# Altium PCB STM32H7.PcbDoc
Units mil, origin at the board's own origin, x right, y up, seen from the top; angles counter-clockwise.
Board outline 2800 x 2420 mil, 2 copper layers (Top Layer, Bottom Layer), stack 65.792 mil thick; 80 components, 63 nets, 331 pads, 195 vias.
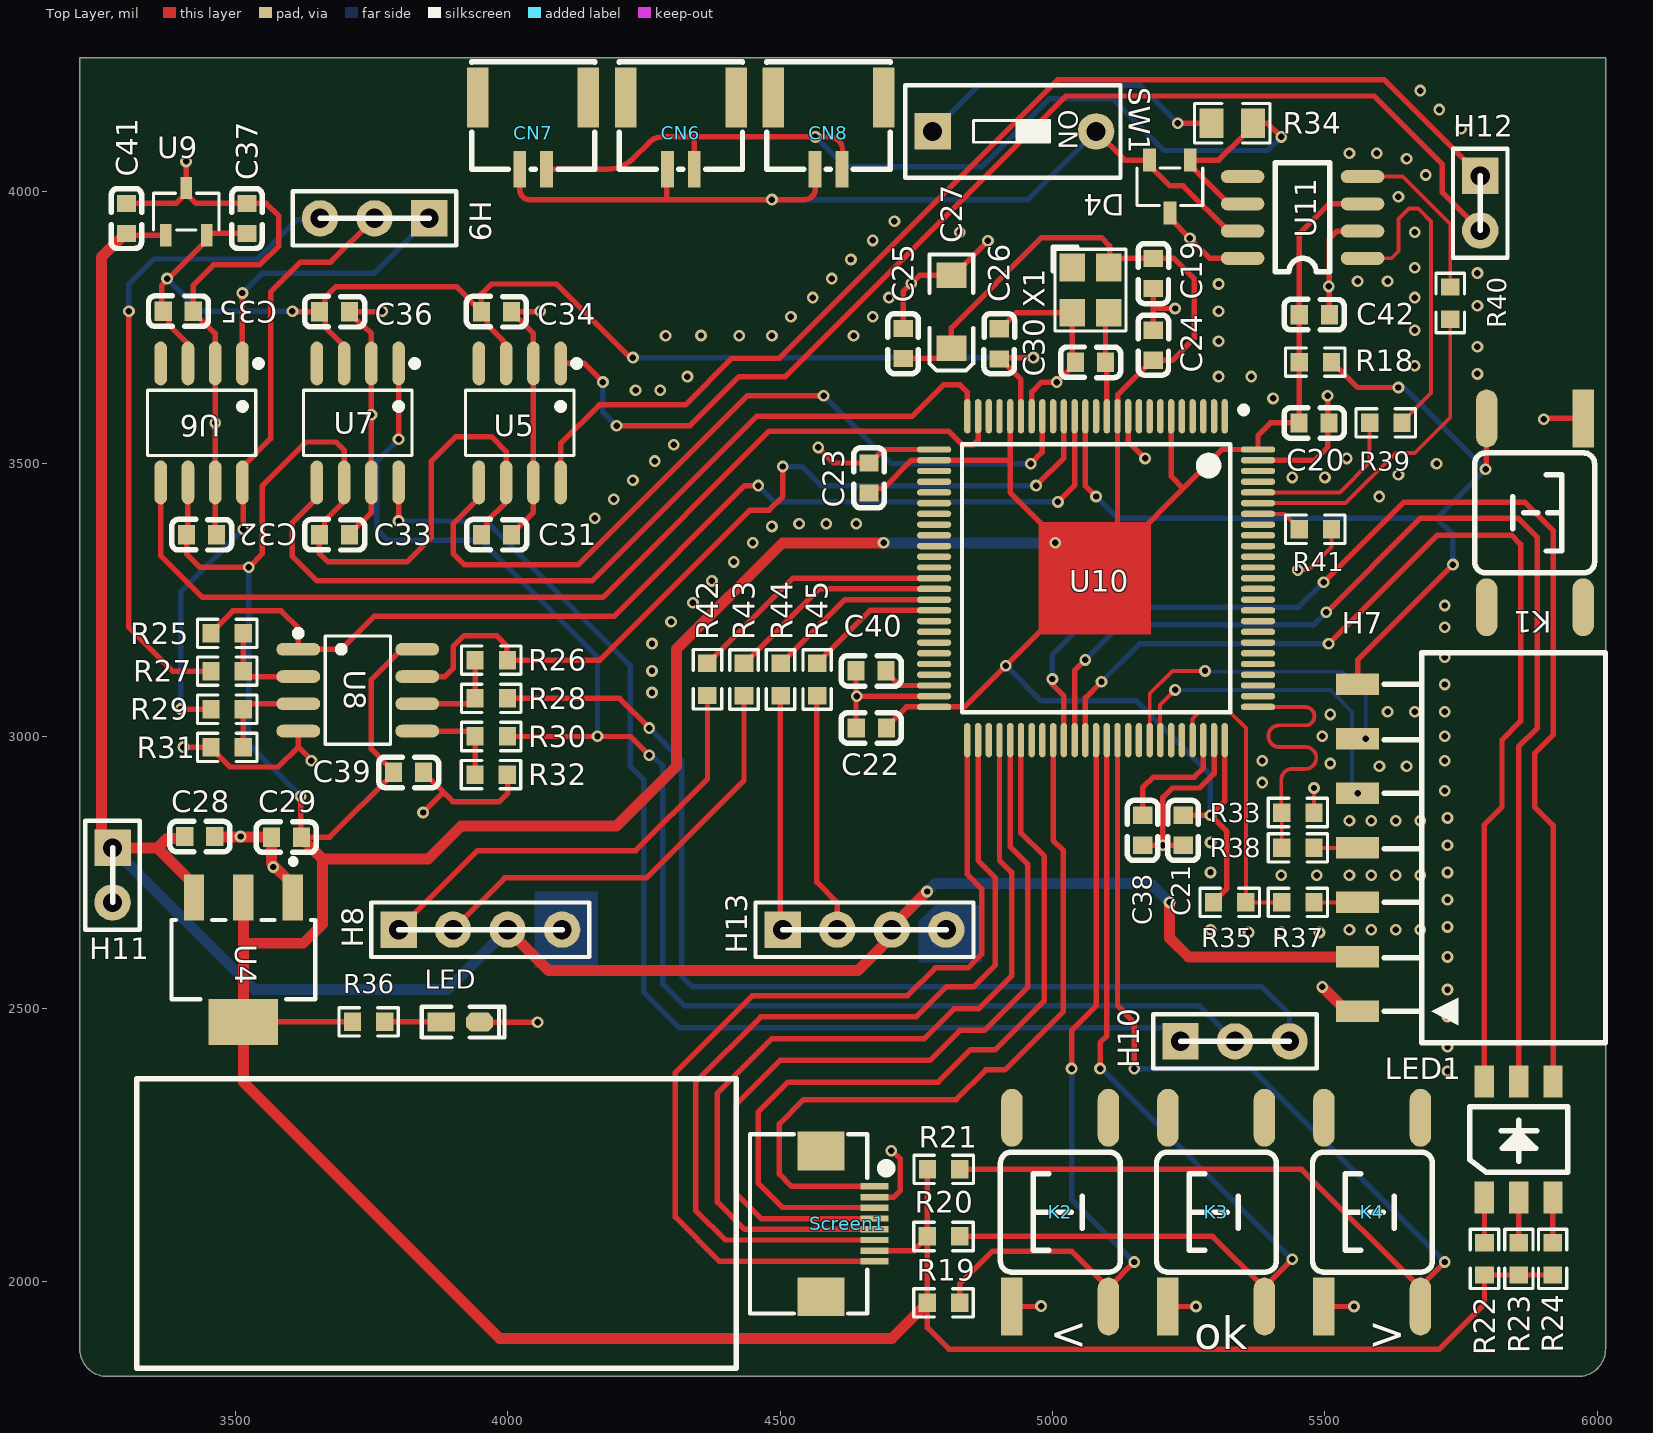
[diagram p0: Top Layer view]
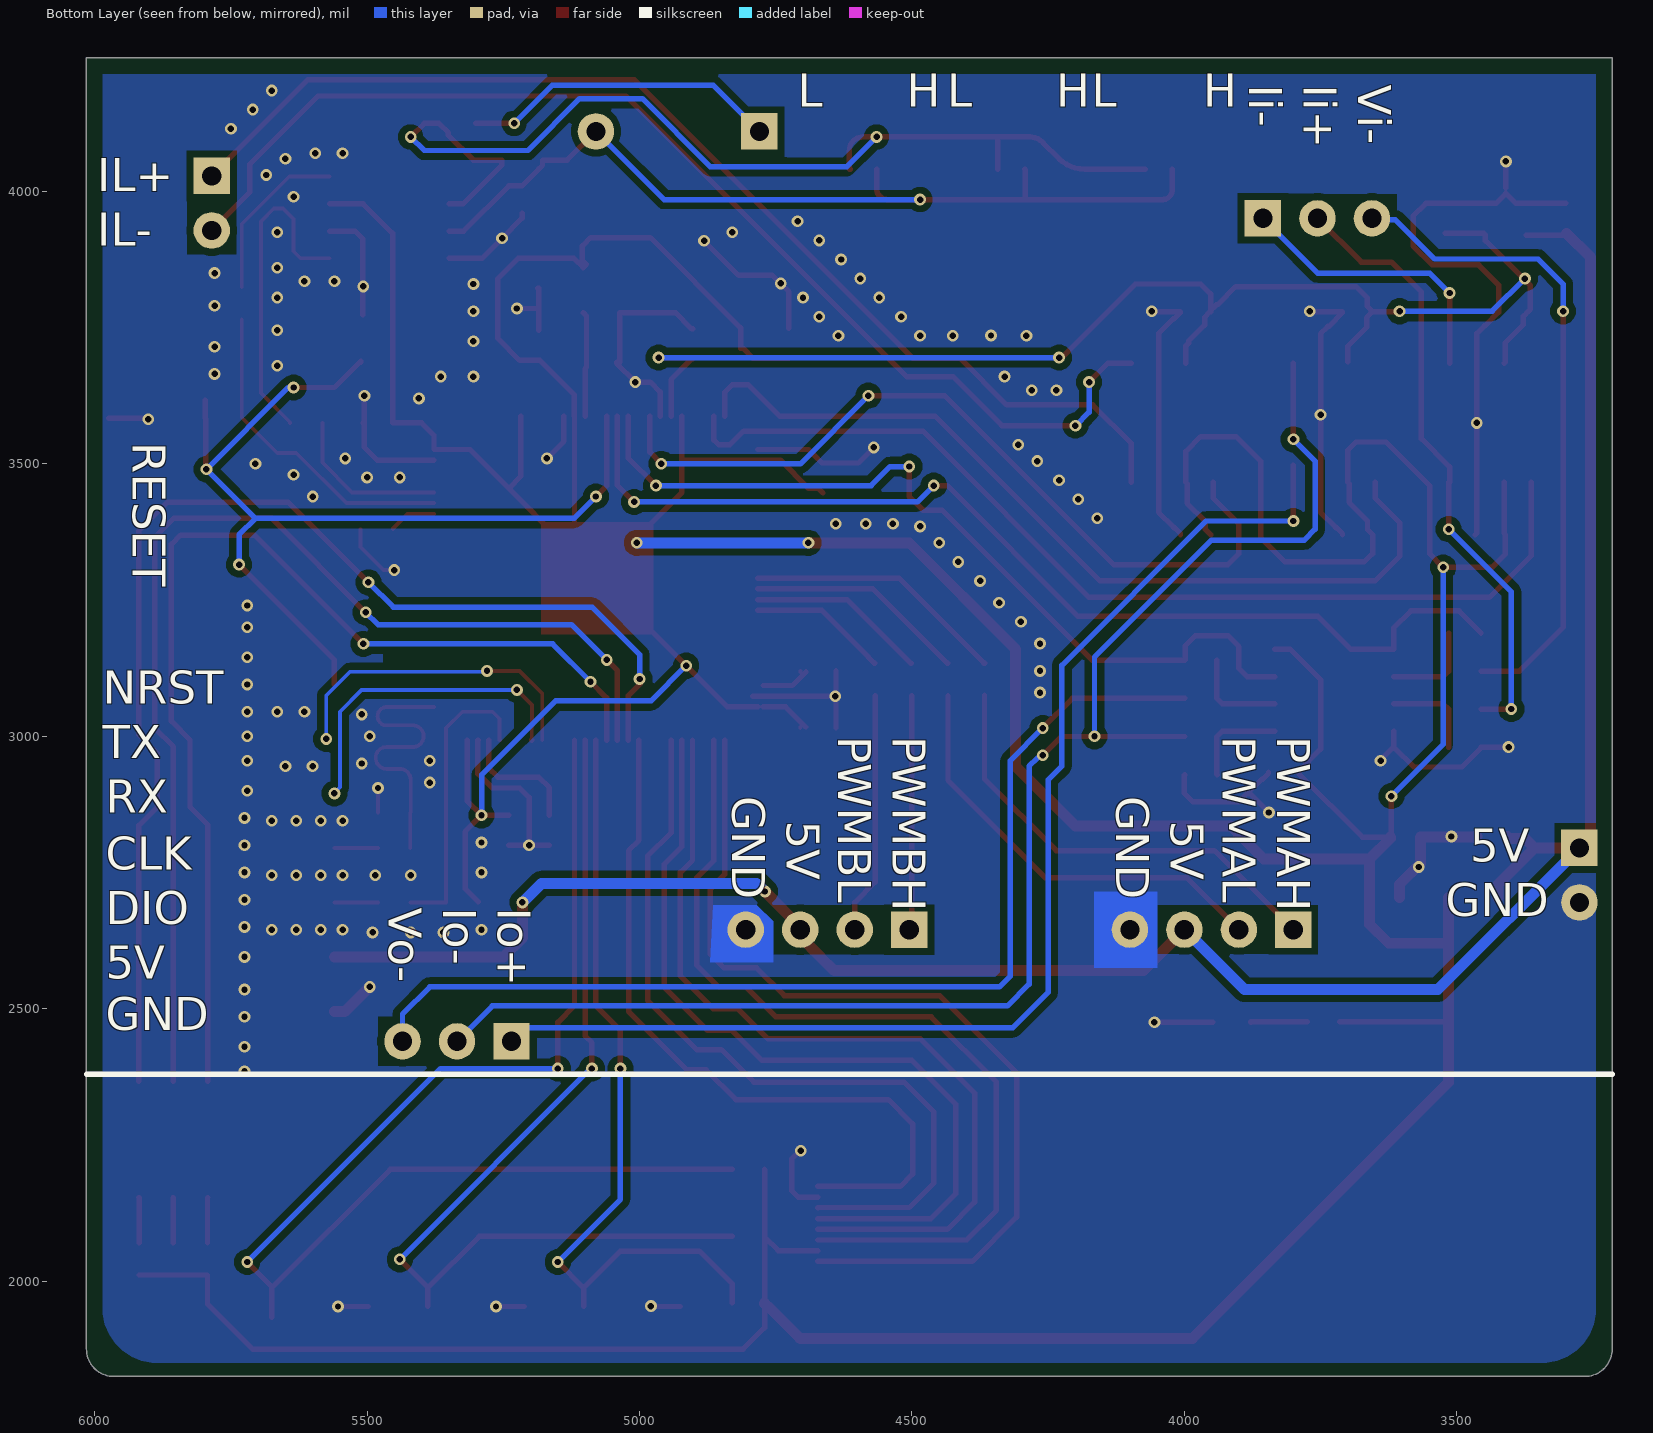
[diagram p1: Bottom Layer view, seen from below]

## Layer stack, top to bottom
Top Solder: solder mask 0.4, Solder Resist, Dk 3.5
Top Layer: signal copper 1.4
Dielectric 1: dielectric 62.9921, FR-4, Dk 4.8
Bottom Layer: signal copper 1.4
Bottom Solder: solder mask 0.4, Solder Resist, Dk 3.5

## Board outline
3215,1875 ccw(c3265,1875) 3265,1825 5965,1825 ccw(c5965,1875) 6015,1875 6015,4245 3215,4245

## Design rules (kind name [scope] priority, off if disabled: settings)
Clearance Clearance_1 [InNamedPolygon('AGND_L02_P000')] p1: gap=12.6 ignorepadtopadclearanceinfootprint=FALSE
Clearance [All] p2: gap=6.69 ignorepadtopadclearanceinfootprint=FALSE
PolygonConnect PolygonConnect_2 [All vs IsNamedPolygon('AGND_L02_P000')] p1: connectstyle=Direct reliefconductorwidth=10 reliefentries=4 polygonreliefangle="90 Angle" airgapwidth=10
PolygonConnect PolygonConnect_1 [All vs IsNamedPolygon('AGND_L02_P000')] p2: connectstyle=Direct reliefconductorwidth=10 reliefentries=4 polygonreliefangle="90 Angle" airgapwidth=10
PolygonConnect [All] p3: connectstyle=Relief reliefconductorwidth=10 reliefentries=4 polygonreliefangle="90 Angle" airgapwidth=10
RoutingVias [All] p1: holewidth=28 width=50 viastyle="Through Hole" minholewidth=28 minwidth=50 maxholewidth=28 maxwidth=50
SolderMaskExpansion [All] p1: expansion=4 istentingtop=FALSE
Width [All] p1: maxlimit=20 minlimit=7 preferedwidth=10
30 further rules are at their usual default settings.

## Components (designator, comment, footprint, x,y, rotation, side; value= is the part's Value field where it differs from the comment)
C19 "100nF" C0603 5185.21,3849.41 r90 top
C20 "100nF" C0603 5480,3575 r180 top
C21 "100nF" C0603 5240,2827.45 r90 top
C22 "100nF" C0603 4667.56,3015 r0 top
C23 "100nF" C0603 4663.27,3473.93 r270 top
C24 "100nF" C0603 5185,3717.55 r270 top
C25 "100nF" C0603 4725.96,3720.78 r90 top
C26 "100nF" C0603 4902.21,3720.17 r270 top
C27 "10uF" "CD A(3216)" 4814.37,3779.07 r90 top
C28 "1uF" C0603 3434.96,2815.98 r180 top
C29 "1uF" C0603 3594.15,2814.72 r0 top
C30 "15pF" C0603 5069.78,3686.47 r180 top
C31 "100nF" C0603 3979.58,3370 r180 top
C32 "100nF" C0603 3438.35,3370 r180 top
C33 "100nF" C0603 3682.27,3370 r180 top
C34 "100nF" C0603 3979.58,3779.07 r0 top
C35 "100nF" C0603 3395.62,3780.21 r180 top
C36 "100nF" C0603 3682.27,3779.28 r180 top
C37 "100nF" C0603 3521.6,3950.49 r90 top
C38 "2.2uF" C0603 5165.49,2827.51 r90 top
C39 "470nF" C0603 3818.07,2933.72 r180 top
C40 "2.2uF" C0603 4666.94,3119.94 r180 top
C41 "470nF" C0603 3300.46,3950.49 r90 top
C42 "100nF" C0603 5480.61,3773.61 r0 top
CN6 "A1257WR-S-2P" CONN-SMD_A1257WR-S-2P 4317.94,4106.61 r180 top
CN7 "A1257WR-S-2P" CONN-SMD_A1257WR-S-2P 4047,4106.61 r180 top
CN8 "A1257WR-S-2P" CONN-SMD_A1257WR-S-2P 4588.87,4106.61 r180 top
D4 "PESD1CAN" SOT-23-3_L2.9-W1.6-P1.90-LS2.8-BR 5215.53,4008.56 r90 top
H7 "7P卧贴排母" HDR-SMD_7P-P2.54-H-F-L11.5 5560,2795 r90 top
H8 "Header-Female-2.54_1x4" HDR2.54-M-LI-4P 3950,2645 r0 top locked
H9 "Header-Female-2.54_1x3" HDR2.54-M-LI-3P 3755.8,3950.49 r180 top locked
H10 "Header-Female-2.54_1x3" HDR2.54-M-LI-3P 5335,2440 r0 top locked
H11 "Header-Female-2.54_1x2" HDR2.54-M-LI-2P 3275,2745 r270 top locked
H12 "Header-Female-2.54_1x2" HDR2.54-M-LI-2P 5785.15,3978.3 r270 top locked
H13 "Header-Female-2.54_1x4" HDR2.54-M-LI-4P 4655,2645 r0 top locked
K1 "TSW SMD-6*6*5" "TSW SMD-6*6*5" 5885,3410 r270 top
K2 "TSW SMD-6*6*5" "TSW SMD-6*6*5" 5014.57,2126.65 r90 top locked
K3 "TSW SMD-6*6*5" "TSW SMD-6*6*5" 5300.91,2126.65 r90 top locked
K4 "TSW SMD-6*6*5" "TSW SMD-6*6*5" 5587.25,2126.65 r90 top locked
LED "LED 0603G" "LED 0603G" 3913.27,2474.95 r0 top
LED1 "LED 5050" "LED 5050" 5855.72,2259.93 r90 top locked
R18 "10k" R0603 5482.4,3686.47 r180 top
R19 "10k" R0603 4800,1960 r180 top
R20 "10k" R0603 4800,2081.95 r180 top
R21 "10k" R0603 4800.35,2205 r180 top
R22 "330 ohm" R0603 5792.96,2040.86 r270 top locked
R23 "510 ohm" R0603 5855.87,2040.86 r270 top locked
R24 "330 ohm" R0603 5917.96,2040.86 r270 top locked
R25 "3.3k" R0603 3485.34,3188.76 r180 top
R26 "3.3k" R0603 3970,3139.56 r0 top
R27 "75k" R0603 3485.34,3119.56 r0 top
R28 "75k" R0603 3970,3069.56 r0 top
R29 "75k" R0603 3485.34,3049.56 r0 top
R30 "75k" R0603 3970,2999.56 r0 top
R31 "3.3k" R0603 3485.34,2979.56 r0 top
R32 "3.3k" R0603 3969.66,2929.56 r180 top
R33 "10k" R0603 5450.35,2860 r0 top
R34 "120 ohm" R0805 5330,4125 r180 top
R35 "10k" R0603 5325.35,2695 r180 top
R36 "3.3k" R0603 3745,2475.83 r0 top
R37 "10 / 22 ohm" R0603 5450.35,2695 r180 top
R38 "10 / 22 ohm" R0603 5450.35,2795 r180 top
R39 "10 / 22 ohm" R0603 5611.78,3575 r180 top
R40 "10 / 22 ohm" R0603 5730,3795 r270 top
R41 "10k" R0603 5482.4,3379.91 r180 top
R42 "10 ohm" R0603 4366.81,3104.55 r270 top
R43 "10 ohm" R0603 4433.86,3104.15 r270 top
R44 "10 ohm" R0603 4500.91,3104.15 r270 top
R45 "10 ohm" R0603 4567.97,3104.15 r270 top
Screen1 "FPC1.0-8P" "FPC0.5 2H-S-W-8P" 4575,2105 r270 top locked
SW1 "DIP-Red-1P" "CSW DIP-1P_G" 4930,4110 r270 top
U4 "TLV1117-33IDCYR" FP-DCY0004A-MFG 3515,2590 r270 top
U5 "CSA240LCSOIC8" SOIC-8_L4.9-W3.9-P1.27-LS6.0-BL 4022.31,3575 r180 top
U6 "CSA240LCSOIC8" SOIC-8_L4.9-W3.9-P1.27-LS6.0-BL 3438.35,3575 r180 top
U7 "CSA240LCSOIC8" SOIC-8_L4.9-W3.9-P1.27-LS6.0-BL 3725,3575 r180 top
U8 "GS8552-SR" SOIC-8_L4.9-W3.9-P1.27-LS6.0-BL 3725,3084.56 r270 top
U9 "REF3033AIDBZR" SOT-23-3_L3.0-W1.7-P0.95-LS2.9-BR 3410.13,3962.99 r270 top
U10 "STM32H743VIT6" LQFP-100_L14.0-W14.0-P0.50-LS16.0-BL 5080,3290 r180 top
U11 "SN65HVD230DR" SOP-8 5568.04,3876.15 r180 top
X1 "25Mhz" "OSC 3225-4P" 5069.78,3818.61 r270 top

## Footprints (in the part's own frame and the unit in brackets; to place one, negate y for a bottom-side part, rotate by r counter-clockwise, add the part's x,y. Pads: shape width x height; smd on the part's side, far side on the other; paste and mask are expansions set on the pad)
C0603 [mm]
  rect 0.8x0.9 smd: 1(-0.7,0) 2(0.7,0)
  silkscreen extent -1.41,-0.71 1.39,0.72, body extent -0.8,-0.4 0.8,0.4, height 0.81
"CD A(3216)" [mm] "长3.2mm，宽1.6mm，厚1.6mm"
  rect 1.2x1.4 smd: 1(-1.7,0) 2(1.7,0)
  silkscreen extent -2.74,-1.02 2.67,1.02, body extent -1.6,-0.8 1.6,0.8, height 1.6
CONN-SMD_A1257WR-S-2P [mm]
  rect 0.6x1.7 smd: 1(0.625,1.675) 2(-0.625,1.675)
  rect 1x2.8 smd: 3(2.575,-1.675) 4(-2.575,-1.675)
  silkscreen extent -2.87,-3.33 2.87,1.68, body extent -2.87,-2.86 2.87,2, height 4.25
"CSW DIP-1P_G" [mm] "4.1*9.9*7mm"
  rect 1.7x1.7 hole 0.9: 1(0,-3.81)
  round 1.7 hole 0.9: 2(0,3.81)
  silkscreen extent -2.16,-5.08 2.16,4.95, body extent -2.05,-4.95 2.05,4.95, height 6.65
FP-DCY0004A-MFG [mm]
  rect 2.15x0.95 smd paste+0 mask+0: 1(-2.9,2.3) 2(-2.9,0) 3(-2.9,-2.3)
  rect 2.15x3.25 smd paste+0 mask+0: 4(2.9,0)
  silkscreen extent -4.7,-3.35 1.85,3.35, body extent -4.08,-3.45 4.08,3.45, height 0.25
"FPC0.5 2H-S-W-8P" [mm] "长：8.2mm，宽：5.2mm，高：2mm"
  rect 1.8x2.2 smd: 0(-3.4,0) 0(3.4,0)
  rect 0.3x1.3 smd: 1(-1.75,2.497) 2(-1.25,2.497) 3(-0.75,2.497) 4(-0.25,2.497) 5(0.25,2.497) 6(0.75,2.497) 7(1.25,2.497) 8(1.75,2.497)
  silkscreen extent -4.17,-3.3 4.17,3.23, body extent -4.1,-3.15 4.1,2.85, height 2
HDR2.54-M-LI-2P [mm] "排母，2脚"
  rect 1.7x1.7 hole 0.9: 1(-1.27,0)
  round 1.7 hole 0.9: 2(1.27,0)
  silkscreen extent -2.54,-1.27 2.54,1.27, body extent -2.54,-1.27 2.54,1.27, height 8.5
HDR2.54-M-LI-3P [mm] "排母，3脚"
  rect 1.7x1.7 hole 0.9: 1(-2.54,0)
  round 1.7 hole 0.9: 2(0,0) 3(2.54,0)
  silkscreen extent -3.81,-1.27 3.81,1.27, body extent -3.81,-1.27 3.81,1.27, height 8.5
HDR2.54-M-LI-4P [mm] "排母，4脚"
  rect 1.7x1.7 hole 0.9: 1(-3.81,0)
  round 1.7 hole 0.9: 2(-1.27,0) 3(1.27,0) 4(3.81,0)
  silkscreen extent -5.08,-1.27 5.08,1.27, body extent -5.08,-1.27 5.08,1.27, height 8.5
HDR-SMD_7P-P2.54-H-F-L11.5 [mm]
  rect 1x2 smd paste+0 mask+0.05: 1(-7.62,0) 2(-5.08,0) 3(-2.54,0) 4(0,0) 5(2.54,0) 6(5.08,0) 7(7.62,0)
  silkscreen extent -9.09,-11.56 9.09,-1.23
"LED 0603G" [mil] "绿色0603LED"
  rect 50x35 smd: 1(-35,0.26)
  oct 50x35 smd: 2(35,0.26)
  silkscreen extent -71,-28 81,28, body extent -31,-16 32,16, height 18
"LED 5050" [mm] "白色5050LED"
  rect 1.5x0.9 smd: 1(2.705,1.6) 2(-2.705,1.6) 3(2.705,0) 4(-2.705,0) 5(2.705,-1.6) 6(-2.705,-1.6)
  silkscreen extent -1.52,-2.29 1.52,2.29, body extent -2.7,-2.5 2.7,2.5, height 1.65
LQFP-100_L14.0-W14.0-P0.50-LS16.0-BL [mm]
  oval 0.3x1.6 smd paste-100 mask+0.051: 1(-6,-7.55) 2(-5.5,-7.55) 3(-5,-7.55) 4(-4.5,-7.55) 5(-4,-7.55) 6(-3.5,-7.55) 7(-3,-7.55) 8(-2.5,-7.55) 9(-2,-7.55) 10(-1.5,-7.55) 11(-1,-7.55) 12(-0.5,-7.55) 13(0,-7.55) 14(0.5,-7.55) 15(1,-7.55) 16(1.5,-7.55) 17(2,-7.55) 18(2.5,-7.55) 19(3,-7.55) 20(3.5,-7.55) 21(4,-7.55) 22(4.5,-7.55) 23(5,-7.55) 24(5.5,-7.55) 25(6,-7.55) 51(6,7.55) 52(5.5,7.55) 53(5,7.55) 54(4.5,7.55) 55(4,7.55) 56(3.5,7.55) 57(3,7.55) 58(2.5,7.55) 59(2,7.55) 60(1.5,7.55) 61(1,7.55) 62(0.5,7.55) 63(0,7.55) 64(-0.5,7.55) 65(-1,7.55) 66(-1.5,7.55) 67(-2,7.55) 68(-2.5,7.55) 69(-3,7.55) 70(-3.5,7.55) 71(-4,7.55) 72(-4.5,7.55) 73(-5,7.55) 74(-5.5,7.55) 75(-6,7.55)
  oval 1.6x0.3 smd paste-100 mask+0.051: 26(7.55,-6) 27(7.55,-5.5) 28(7.55,-5) 29(7.55,-4.5) 30(7.55,-4) 31(7.55,-3.5) 32(7.55,-3) 33(7.55,-2.5) 34(7.55,-2) 35(7.55,-1.5) 36(7.55,-1) 37(7.55,-0.5) 38(7.55,0) 39(7.55,0.5) 40(7.55,1) 41(7.55,1.5) 42(7.55,2) 43(7.55,2.5) 44(7.55,3) 45(7.55,3.5) 46(7.55,4) 47(7.55,4.5) 48(7.55,5) 49(7.55,5.5) 50(7.55,6) 76(-7.55,6) 77(-7.55,5.5) 78(-7.55,5) 79(-7.55,4.5) 80(-7.55,4) 81(-7.55,3.5) 82(-7.55,3) 83(-7.55,2.5) 84(-7.55,2) 85(-7.55,1.5) 86(-7.55,1) 87(-7.55,0.5) 88(-7.55,0) 89(-7.55,-0.5) 90(-7.55,-1) 91(-7.55,-1.5) 92(-7.55,-2) 93(-7.55,-2.5) 94(-7.55,-3) 95(-7.55,-3.5) 96(-7.55,-4) 97(-7.55,-4.5) 98(-7.55,-5) 99(-7.55,-5.5) 100(-7.55,-6)
  silkscreen extent -7.03,-8 6.25,6.25
"OSC 3225-4P" [mm] "3.2*2.5*0.7mm(长宽高)"
  rect 1.3x1.2 smd: 1(-1.05,-0.85) 2(1.05,-0.85) 3(1.05,0.85) 4(-1.05,0.85)
  silkscreen extent -2.03,-1.75 1.91,1.65, body extent -1.6,-1.25 1.6,1.25, height 0.7
R0603 [mil]
  rect 31.75x34.02 smd: 1(-29.65,0) 2(29.65,0)
  silkscreen extent -55,-26 55,26, body extent -31,-16 31,16, height 9
R0805 [mil]
  rect 44.59x54.21 smd: 1(-38.04,0) 2(38.04,0)
  silkscreen extent -69,-36 69,36, body extent -39,-26 39,26, height 24
SOIC-8_L4.9-W3.9-P1.27-LS6.0-BL [mm]
  oval 0.588x2.045 smd: 1(-1.905,-2.772) 2(-0.635,-2.772) 3(0.635,-2.772) 4(1.905,-2.772) 5(1.905,2.772) 6(0.635,2.772) 7(-0.635,2.772) 8(-1.905,2.772)
  silkscreen extent -2.8,-2.92 2.53,1.52
SOP-8 [mil] "（蒜米工坊）"
  oval 80x24 smd: 1(-1,-1) 2(-1,-51) 3(-1,-101) 4(-1,-151) 5(219,-151) 6(219,-101) 7(219,-51) 8(219,-1)
  silkscreen extent 59,-176 159,24, body extent -4,-174 234,24, height 63
SOT-23-3_L2.9-W1.6-P1.90-LS2.8-BR [mm]
  rect 1.07x0.6 smd: 1(1.235,-0.95) 2(1.235,0.95) 3(-1.235,0)
  silkscreen extent -0.88,-1.54 0.88,1.54
SOT-23-3_L3.0-W1.7-P0.95-LS2.9-BR [mil]
  rect 40.85x20.95 smd: 1(43.36,-37.4) 2(43.36,37.4) 3(-43.36,0)
  silkscreen extent -34,-60 34,60
"TSW SMD-6*6*5" [mm] "6*6*5mm"
  rect 2.7x1 smd: 1(-4.4,2.261)
  oval 2.7x1 smd: 2(4.4,2.261) 3(-4.4,-2.239) 4(4.4,-2.239)
  silkscreen extent -2.79,-2.79 2.79,2.79, body extent -4.5,-3 4.5,3, height 4.95

## Part data
C19 C20 C21 C22 C23 C24 C25 C26 C28 C29 C30 C31 C32 C33 C34 C35 C36 C37 C38 C39 C40 C41 C42: library part C0603, BOM_JLCPCB Part Class="Basic Part", BOM_Manufacturer=YAGEO, BOM_Manufacturer Part=CC0603KRX7R9BB104, BOM_Supplier=LCSC, BOM_Supplier Part=C14663, nameAlias=Capacitance, spicePre=C, spiceSymbolName=CC0603KRX7R9BB104
C27: library part A型钽电容, "长3.2mm，宽1.6mm，厚1.6mm", BOM_JLCPCB Part Class="Extended Part", BOM_Manufacturer=ValuePro, BOM_Manufacturer Part="50V 100uF 8X12", BOM_Supplier=LCSC, BOM_Supplier Part=C2749, nameAlias=Capacitance, spicePre=C, spiceSymbolName="50V 100uF 8X12"
CN6 CN7 CN8: BOM_JLCPCB Part Class="Extended Part", BOM_Manufacturer="Changjiang Connectors", BOM_Manufacturer Part=A1257WV-S-2P, BOM_Supplier=LCSC, BOM_Supplier Part=C225118, Contributor=LCSC, spicePre=C, spiceSymbolName=A1257WV-S-2P
D4: BOM_Manufacturer="TECH PUBLIC", BOM_Manufacturer Part=PESD1CAN, BOM_Supplier=LCSC, BOM_Supplier Part=C907838, Contributor=LCSC, spicePre=D, spiceSymbolName=PESD1CAN_C907838
H7: JLCPCB Part Class="Extended Part", LCSC Part Name="间距:2.54mm 1x7P 卧贴", Manufacturer="XKB Connectivity(中国星坤)", Manufacturer Part=X6511FRS-07-C85D30, Add into BOM=yes, Convert to PCB=yes, Datasheet=https://atta.szlcsc.com/upload/public/pdf/source/20220822/AB9A82E80C220285963E5EFA3BFD32FF.pdf, Device=X6511FRS-07-C85D30, Holes Structure=1x7P, Insulation Height=8.5mm, Mounting Type=卧贴, Name=X6511FRS-07-C85D30, Number of Holes=7P, Number of Rows=单排, Pitch=2.54mm, Supplier=LCSC, Supplier Footprint=SMD,P=2.54mm, Supplier Part=C5142240, Symbol=X6511FRS-07-C85D30
H8 H13: BOM_JLCPCB Part Class="Extended Part", BOM_Manufacturer="Boom Precision Elec", BOM_Manufacturer Part=C247921, BOM_Supplier=LCSC, BOM_Supplier Part=C247921, Contributor=LCSC, spicePre=H, spiceSymbolName=C247921
H9 H10 H11 H12: BOM_JLCPCB Part Class="Extended Part", BOM_Manufacturer=BOOMELE, BOM_Manufacturer Part="Header2.54mm 1*3P", BOM_Supplier=LCSC, BOM_Supplier Part=C49257, spicePre=H, spiceSymbolName=Header-Male-2.54_1x3
K1 K2 K3 K4: BOM_JLCPCB Part Class="Extended Part", BOM_Manufacturer=GANGYUAN(港源), BOM_Manufacturer Part=KAN0661-1001B, BOM_Supplier=LCSC, BOM_Supplier Part=C231715, Contributor=LCSC, spicePre=S, spiceSymbolName=KAN0661-1001B
LED: "绿色0603LED", BOM_Manufacturer=EVERLIGHT(台湾亿光), BOM_Manufacturer Part=11-21/BHC-AQ2S2/2T, BOM_Supplier=LCSC, BOM_Supplier Part=C3014404, Contributor=lcsc, spicePre=L, spiceSymbolName=11-21/BHC-AQ2S2/2T
LED1: "5050RGB-LED", BOM_Manufacturer=EVERLIGHT(台湾亿光), BOM_Manufacturer Part=11-21/BHC-AQ2S2/2T, BOM_Supplier=LCSC, BOM_Supplier Part=C3014404, Contributor=lcsc, spicePre=L, spiceSymbolName=11-21/BHC-AQ2S2/2T
R18 R19 R20 R21 R22 R23 R24 R25 R26 R27 R28 R29 R30 R31 R32 R33 R35 R36 R37 R38 R39 R40 R41 R42 R43 R44 R45: library part R0603, BOM_JLCPCB Part Class="Extended Part", BOM_Manufacturer=YAGEO, BOM_Manufacturer Part=SR0603JR-071RL, Resistance=1Ω, BOM_Supplier=LCSC, BOM_Supplier Part=C326890, Contributor=LCSC, nameAlias="Resistance (Ohms)", spicePre=R, spiceSymbolName=SR0603JR-071RL
R34: library part R0805, BOM_JLCPCB Part Class="Extended Part", BOM_Manufacturer=YAGEO, BOM_Manufacturer Part=SR0805FR-0710RL, Resistance=10Ω, BOM_Supplier=LCSC, BOM_Supplier Part=C723409, Contributor=LCSC, spicePre=R, spiceSymbolName=SR0805FR-0710RL
Screen1: library part FPC-8P-0.5, "FPC连接器", BOM名称=FPC连接器, 学习资源=https://lmdzstyle.taobao.com/, 版权归属=黎明电子style
SW1: BOM_JLCPCB Part Class="Extended Part", BOM_Manufacturer="East Wei Elec", BOM_Manufacturer Part=VDG-10HG-R, BOM_Supplier=LCSC, BOM_Supplier Part=C45226, Contributor=LCSC, spicePre=S, spiceSymbolName=VDG-10HG-R
U4: library part CMP-04917-000056-1, "IC REG LIN 3.3V 800MA SOT223-4", Dropout Voltage=1.2V, Manufacturer="Texas Instruments", Max Junction Temp=+125°C, Max Supply Voltage=15V, Min Supply Voltage=4.7V, Nominal Supply Current=5mA, Output Current=0.8A, Output Voltage=3.3V, Package=DCY0004A, Temperature="-40°C to +125°C", Temperature Range Low=-40°C, Automotive=No, Category=IC, ComponentLink2Description=Datasheet, ComponentLink2URL=http://www.ti.com/lit/ds/symlink/tlv1117.pdf, Device Class L1="Integrated Circuits (ICs)", Device Class L2="Power Management ICs", Device Class L3="Voltage Regulators - Linear", Digikey Description="IC REG LIN 3.3V 800MA SOT223-4", Height=1.8mm, Lead Free=Yes, Manufacturer Part Number=TLV1117-33IDCYR, Mouser Description="LDO Voltage Regulators Fixed LDO Volt Reg", Number of Outputs=1, Octopart=https://octopart.com/tlv1117-33idcyr-texas+instruments-669250, Output Type=Fixed, RoHS=TRUE, Standoff Height=0.02mm, Temperature Range High=+125°C
U5 U6 U7: "低噪声低温漂双向电流高端检测芯片", Common Mode Voltage=6V~80V, JLCPCB Part Class="Extended Part", LCSC Part Name=线性产品, Manufacturer=analogysemi(类比半导体), Operating Temperature=-40℃~125℃, Supply Voltage=2.7V~5.5V, Add into BOM=yes, Convert to PCB=yes, Datasheet=https://atta.szlcsc.com/upload/public/pdf/source/20230221/4ACBE0500A397B3D4468D76F97F173B7.pdf, Device=CSA240LCSOIC8, Gain=20V/V, Manufacturer Part=CSA240LCSOIC8, Name=CSA240LCSOIC8, Number of Channels=1, Supplier=LCSC, Supplier Footprint=SOIC-8, Supplier Part=C5359411, Symbol=CSA240LCSOIC8